# Altium PCB Slave.PcbDoc (part 12 of 12) (continued)
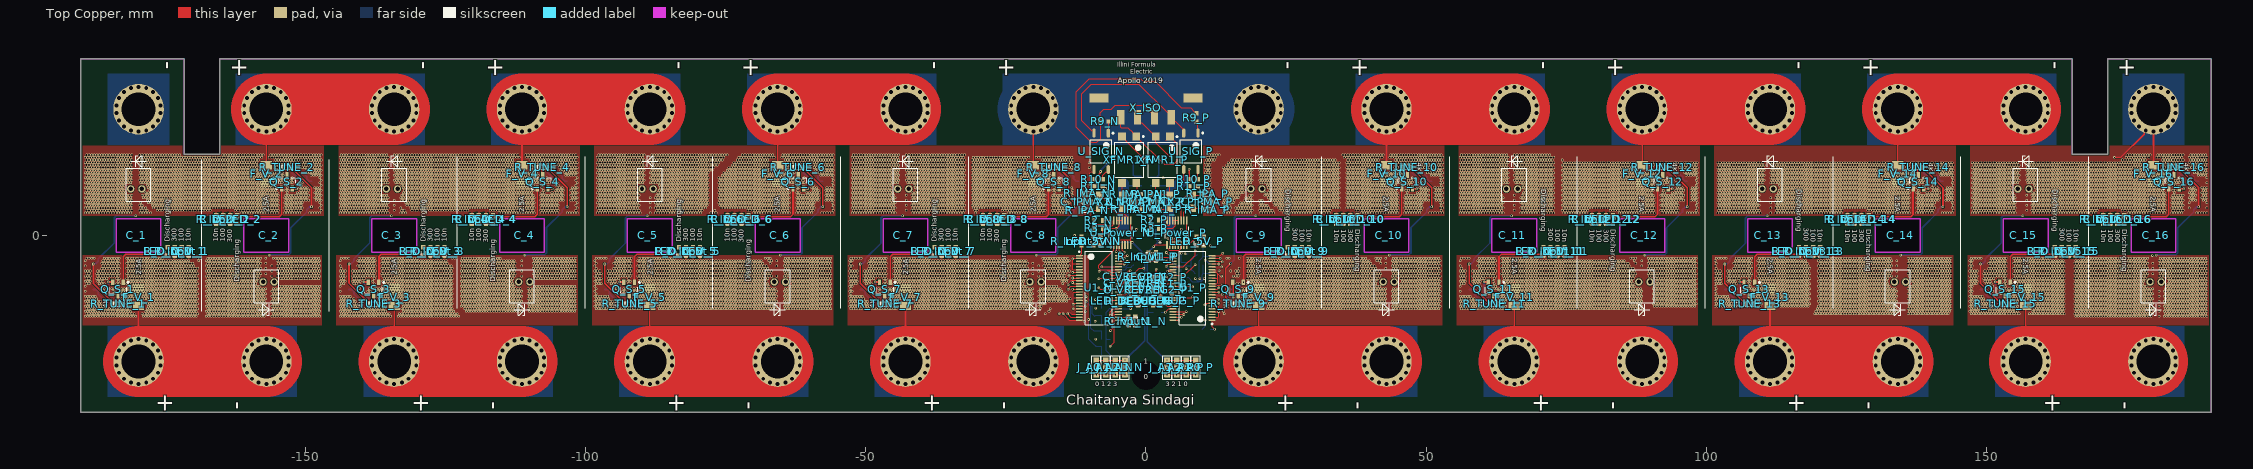
[diagram p0: Top Copper view]
## Nets (pads, with @x,y where several pads share a name; then routed paths per layer and width w, separated by ;. In a path a pad name is that pad's centre, name@x,y a point inside that pad or via, vN(x,y) a via of type N, cw(c..) or ccw(c..) an arc to the next point about the centre after c; other vN are vias at no path point) (continued)
S1_C1: LED_D_1.K Q_S_1.1 U1_N.25 | length 193.3
  Top Copper w0.102: v3(-5,-15.75) -4.9,-15.65 U1_N.25@-4.9,-15.1
  Top Copper w0.305: Q_S_1.1@-182.425,-8.375 -182.425,-3.777 -182,-3.352 -174.723,-3.352 LED_D_1.K@-174.5,-3.575
  Signal Layer 2 w0.102: v3(-174.5,-3.6) -170.788,-3.6 -168.703,-5.684 -168.703,-14.778 -167.731,-15.75 v3(-5,-15.75)
S1_C2: LED_D_9.K Q_S_9.1 U1_P.25 | length 30.1
  Top Copper w0.102: v3(3.625,-3.05) 4.147,-3.572 4.772,-3.572 U1_P.25@4.8,-3.6 ; Q_S_9.1@17.375,-8.375 v3(17.375,-8.35)
  Top Copper w0.305: v3(17.375,-8.35) 17.375,-3.777 17.8,-3.352 25.077,-3.352 LED_D_9.K@25.3,-3.575
  Signal Layer 2 w0.102: v3(3.625,-3.05) 4.458,-3.883 8.116,-3.883 11.53,-7.297 12.726,-7.297 13.26,-7.831 16.856,-7.831 v3(17.375,-8.35)
S2_C1: LED_D_2.K Q_S_2.1 U1_N.23 | length 190.5
  Top Copper w0.102: v3(-14,-14) -13.4,-14.6 U1_N.23@-11.9,-14.6
  Top Copper w0.305: LED_D_2.K@-161.877,3.352 -154.6,3.352 -154.175,3.777 Q_S_2.1@-154.175,8.375
  Signal Layer 2 w0.102: v3(-162.1,3.5) -168.094,-2.494 -168.094,-14.525 -167.478,-15.14 -17.34,-15.14 -15.823,-13.623 -14.377,-13.623 v3(-14,-14)
S2_C2: LED_D_10.K Q_S_10.1 U1_P.23 | length 66.5
  Top Copper w0.102: U1_P.23@11.8,-4.1 13.225,-4.1 v3(13.25,-4.075) ; v3(37.7,3.575) LED_D_10.K@37.7,3.6
  Top Copper w0.305: v3(37.7,3.575) 37.923,3.352 45.2,3.352 45.625,3.777 Q_S_10.1@45.625,8.375
  Signal Layer 2 w0.102: v3(13.25,-4.075) 12.888,-3.713 12.888,12.463 15.082,14.658 33.93,14.658 35.403,13.184 35.403,4.297 36.125,3.575 v3(37.7,3.575)
S3_C1: LED_D_3.K Q_S_3.1 U1_N.21 | length 141.8
  Top Copper w0.102: U1_N.21@-11.9,-13.6 v3(-10.8,-13.6)
  Top Copper w0.305: Q_S_3.1@-136.825,-8.375 -136.825,-3.777 -136.4,-3.352 -129.123,-3.352 -128.9,-3.575 v3(-128.9,-3.6)
  Signal Layer 2 w0.102: v3(-128.9,-3.6) -125.187,-3.6 -123.203,-5.584 -123.203,-13.046 -121.515,-14.734 -17.509,-14.734 -15.991,-13.216 -13.963,-13.216 -13.579,-13.6 v3(-10.8,-13.6)
S3_C2: LED_D_11.K Q_S_11.1 U1_P.21 | length 112.2
  Top Copper w0.102: U1_P.21@11.8,-5.1 v3(13,-5.1)
  Top Copper w0.305: Q_S_11.1@62.975,-8.375 62.975,-3.777 63.4,-3.352 70.677,-3.352 LED_D_11.K@70.9,-3.575
  Signal Layer 2 w0.102: v3(13,-5.1) 12.685,-4.785 12.685,12.547 14.998,14.861 72.402,14.861 73.197,14.066 73.197,-1.353 v3(70.95,-3.6)
S4_C1: LED_D_4.K Q_S_4.1 U1_N.19 | length 146.3
  Top Copper w0.102: v3(-116.5,3.575) LED_D_4.K@-116.5,3.6 ; U1_N.19@-11.9,-12.6 v3(-10.8,-12.6)
  Top Copper w0.305: v3(-116.5,3.575) -116.277,3.352 -109,3.352 -108.575,3.777 Q_S_4.1@-108.575,8.375
  Signal Layer 2 w0.102: v3(-116.5,3.575) -122.594,-2.519 -122.594,-12.793 -121.262,-14.124 -18.924,-14.124 -17.275,-12.475 -14.05,-12.475 -13.497,-11.923 -11.477,-11.923 v3(-10.8,-12.6)
S4_C2: LED_D_12.K Q_S_12.1 U1_P.19 | length 117.7
  Top Copper w0.102: U1_P.19@11.8,-6.1 12,-6.3 v3(13.025,-6.3)
  Top Copper w0.305: LED_D_12.K@83.3,3.575 83.523,3.352 90.8,3.352 91.225,3.777 Q_S_12.1@91.225,8.375
  Signal Layer 2 w0.102: v3(13.025,-6.3) 12.075,-5.35 12.075,12.8 14.746,15.471 72.654,15.471 73.806,14.318 73.806,3.358 74.011,3.153 80.059,3.153 80.108,3.104 82.804,3.104 v3(83.3,3.6)
S5_C1: LED_D_5.K Q_S_5.1 U1_N.13 | length 124.5
  Top Copper w0.102: v3(-13.1,-9.6) U1_N.13@-11.9,-9.6
  Top Copper w0.305: Q_S_5.1@-91.225,-8.375 -91.225,-3.777 -90.8,-3.352 -83.523,-3.352 LED_D_5.K@-83.3,-3.575
  Signal Layer 2 w0.102: v3(-83.2,-3.5) -83.2,-0.7 -77.406,5.094 -77.406,10.668 -72.475,15.6 -12.213,15.6 -10.831,14.218 -10.831,-7.331 v3(-13.1,-9.6)
S5_C2: LED_D_13.K Q_S_13.1 U1_P.13 | length 134.4
  Top Copper w0.102: U1_P.13@11.8,-9.1 12.562,-9.1 12.785,-8.877 13.623,-8.877 v3(13.625,-8.875) ; LED_D_13.K@116.5,-3.6 v3(116.5,-3.575)
  Top Copper w0.305: Q_S_13.1@108.575,-8.375 108.575,-3.777 109,-3.352 116.277,-3.352 v3(116.5,-3.575)
  Signal Layer 2 w0.102: v3(13.625,-8.875) 13.625,-9.704 14.181,-10.259 14.181,-10.506 14.393,-10.719 14.393,-11.744 16.656,-14.006 117.381,-14.006 118.797,-12.591 118.797,-4.897 117.475,-3.575 v3(116.5,-3.575)
S6_C1: LED_D_6.K Q_S_6.1 U1_N.11 | length 116.8
  Top Copper w0.102: v3(-13.1,-8.4) -12.9,-8.6 U1_N.11@-11.9,-8.6
  Top Copper w0.305: LED_D_6.K@-70.9,3.575 -70.677,3.352 -63.4,3.352 -62.975,3.777 Q_S_6.1@-62.975,8.375
  Signal Layer 2 w0.102: v3(-70.9,3.6) -75.213,3.6 -76.797,5.184 -76.797,10.416 -72.222,14.99 -12.465,14.99 -11.44,13.965 -11.44,-7.059 -12.781,-8.4 v3(-13.1,-8.4)
S6_C2: LED_D_14.K Q_S_14.1 U1_P.11 | length 144.8
  Top Copper w0.102: U1_P.11@11.8,-10.1 v3(13,-10.1)
  Top Copper w0.305: LED_D_14.K@128.913,3.563 129.123,3.352 136.4,3.352 136.825,3.777 Q_S_14.1@136.825,8.375
  Signal Layer 2 w0.102: v3(13,-10.1) 13,-10.529 13.784,-11.313 13.784,-11.997 16.403,-14.616 117.634,-14.616 119.406,-12.843 119.406,-4.481 125.267,1.38 126.73,1.38 v3(128.875,3.525)
S7_C1: LED_D_7.K Q_S_7.1 U1_N.9 | length 77.2
  Top Copper w0.102: v3(-13.1,-7.6) U1_N.9@-11.9,-7.6
  Top Copper w0.305: Q_S_7.1@-45.625,-8.375 -45.625,-3.777 -45.2,-3.352 LED_D_7.K@-37.923,-3.352
  Signal Layer 2 w0.102: v3(-37.7,-3.5) -31.906,2.294 -31.906,14.084 -31.203,14.787 -12.549,14.787 -11.643,13.881 -11.643,-6.975 -12.268,-7.6 v3(-13.1,-7.6)
S7_C2: LED_D_15.K Q_S_15.1 U1_P.9 | length 180.1
  Top Copper w0.102: U1_P.9@11.8,-11.1 12.75,-11.1 v3(13,-11.35) ; LED_D_15.K@162.1,-3.6 v3(162.1,-3.575)
  Top Copper w0.305: Q_S_15.1@154.175,-8.375 154.175,-3.777 154.6,-3.352 161.877,-3.352 v3(162.1,-3.575)
  Signal Layer 2 w0.102: v3(13,-11.35) 13,-11.541 13.377,-11.919 13.377,-12.165 16.235,-15.022 163.84,-15.022 164.397,-14.466 164.397,-4.6 163.372,-3.575 v3(162.1,-3.575)
S8_C1: LED_D_8.K Q_S_8.1 U1_N.7 | length 70.6
  Top Copper w0.102: v3(-13.1,-6.6) U1_N.7@-11.9,-6.6
  Top Copper w0.305: v3(-25.3,3.575) -25.077,3.352 -17.8,3.352 -17.375,3.777 Q_S_8.1@-17.375,8.375
  Signal Layer 2 w0.102: v3(-25.3,3.575) -30.475,3.575 -31.5,4.6 -31.5,13.916 -31.035,14.381 -12.718,14.381 -12.05,13.713 -12.05,-5.55 v3(-13.1,-6.6)
S8_C2: LED_D_16.K Q_S_16.1 U1_P.7 | length 193.5
  Top Copper w0.102: v3(10.525,-12.4) 10.825,-12.1 U1_P.7@11.8,-12.1 ; v3(174.5,3.575) LED_D_16.K@174.5,3.6
  Top Copper w0.305: v3(174.5,3.575) 174.723,3.352 182,3.352 182.425,3.777 Q_S_16.1@182.425,8.375
  Signal Layer 2 w0.102: v3(10.525,-12.4) 12.843,-14.718 15.069,-14.718 15.982,-15.632 164.093,-15.632 165.006,-14.718 165.006,-4.44 171.168,1.722 172.647,1.722 v3(174.5,3.575)
SCK_N: U1_N.42 U_Power_N.4 | length 8.9
  Top Copper w0.102: v3(-7.3,-6.7) -7.206,-6.7 -6.828,-6.323 -6.444,-6.323 -6.166,-6.6 U1_N.42@-4.9,-6.6 ; U_Power_N.4@-4.75,-1.684 -4.75,-2.766 -4.6,-2.916 v3(-4.6,-3)
  Signal Layer 1 w0.102: v3(-7.3,-6.7) -7.3,-5.7 v3(-4.6,-3)
SCK_P: U1_P.42 U_Power_P.4 | length 14.4
  Top Copper w0.102: U1_P.42@4.8,-12.1 v3(6.1,-12.1) ; U_Power_P.4@5.25,-1.684 5.25,-0.55 v3(5.3,-0.5)
  Signal Layer 1 w0.102: v3(5.3,-0.5) 5.3,-11.3 v3(6.1,-12.1)
SDI_N: R_SDO_PU_N.1 U1_N.43 U_Power_N.2 | length 16
  Top Copper w0.102: v3(-8.38,-6.426) -8.38,-6.351 -8.129,-6.1 ; U_Power_N.2@-5.751,-1.684 -5.751,-2.676 -8.4,-5.325 -8.4,-5.829 -8.129,-6.1 ; U1_N.43@-4.9,-6.1 -8.129,-6.1
  Bottom Copper w0.102: v3(-8.38,-6.426) -8.054,-6.1 -3.7,-6.1 -3.3,-5.7 -2.65,-5.7 -2.499,-5.549 -2.499,-5.524 -2.175,-5.2 R_SDO_PU_N.1@-2.15,-5.2
SDI_P: R_SDO_PU_P.1 U1_P.43 U_Power_P.2 | length 16
  Top Copper w0.102: v3(3.6,-12.37) 3.83,-12.6 U1_P.43@4.8,-12.6 ; v3(3.9,-0.5) 4.249,-0.849 U_Power_P.2@4.249,-1.684
  Signal Layer 1 w0.102: v3(3.6,-12.37) 4.5,-11.47 4.5,-1.1 v3(3.9,-0.5)
  Bottom Copper w0.102: R_SDO_PU_P.1@2.75,-12.4 3.57,-12.4 v3(3.6,-12.37)
SDO_N: R_SDI_PU_N.1 U1_N.44 U_Power_N.3 | length 14.8
  Top Copper w0.102: v3(-7.9,-5.625) -7.875,-5.6 U1_N.44@-4.9,-5.6 ; v3(-5.3,-2.9) -5.251,-2.851 U_Power_N.3@-5.251,-1.684
  Signal Layer 1 w0.102: v3(-7.9,-5.625) -7.9,-5.5 v3(-5.3,-2.9)
  Bottom Copper w0.102: v3(-7.9,-5.625) -3.625,-5.625 -2.8,-4.8 -2.8,-4.4 -2.499,-4.099 -2.499,-4.074 -2.175,-3.75 R_SDI_PU_N.1@-2.15,-3.75
SDO_P: R_SDI_PU_P.1 U1_P.44 U_Power_P.3 | length 17.5
  Top Copper w0.102: v3(3.462,-13.7) 4.062,-13.1 U1_P.44@4.8,-13.1 4.81,-13.09 U1_P.44@4.88,-13.16 ; v3(4.577,-0.5) 4.749,-0.672 U_Power_P.3@4.749,-1.684
  Signal Layer 1 w0.102: v3(3.462,-13.7) 4.703,-12.459 4.703,-0.626 v3(4.577,-0.5)
  Bottom Copper w0.102: R_SDI_PU_P.1@2.75,-13.75 3.412,-13.75 v3(3.462,-13.7)
SIG+: R9_N.1 R9_P.1 X_ISO.P$3 | length 52.9
  Top Copper w0.102: X_ISO.P$3@1.5,21.07 1.5,21.34 0.916,21.924 0.772,21.924 -0.507,23.204 -5.493,23.204 -6.196,22.5 -7.5,22.5 -8.15,21.85 R9_N.1@-8.15,20.342 -8.106,20.298 -8.106,17.268 -8.788,16.586 -9.752,16.586 -12.414,19.249 -12.414,25.629 -10.129,27.914 -0.925,27.914 -0.51,27.5 1.629,27.5 6.317,22.811 7.939,22.811 8.651,22.099 8.676,22.099 9,21.775 R9_P.1@9,21.75
SIG-: U_SIG_N.3 U_SIG_P.3 X_ISO.P$4 | length 31.2
  Top Copper w0.102: U_SIG_N.3@-9.27,18.25 -9.27,18.413 -9.5,18.643 -9.663,18.643 -11.5,20.48 -11.5,25.25 -9.75,27 -1.304,27 3.772,21.924 3.916,21.924 4.5,21.34 X_ISO.P$4@4.5,21.07 4.5,20.926 5.084,20.342 5.228,20.342 6.73,18.84 U_SIG_P.3@6.73,18.25
T1_C1: C_1.T+ C_2.T+ C_Temp1_N.2 R7_N.1 R_Temp1_N.1 | length 198.4
  Signal Layer 2 w0.102: C_1.T+@-181.1,8.3 -176.725,3.925 -161.991,3.925 -161.723,3.656 -161.723,3.523 -161.151,2.951 -161.151,-3.104 -161.004,-3.251 -157.224,-3.251 -155.5,-4.975 C_2.T+@-155.5,-8.3 -146.5,-8.3 -146,-8.8 -146,-14.194 -145.256,-14.937 -17.425,-14.937 -15.907,-13.419 -14.047,-13.419 -13.416,-14.05 -11.2,-14.05 v3(-10.25,-15)
  Bottom Copper w0.102: v3(-10.25,-15) -10.25,-18.5 -9.349,-19.401 -9.324,-19.401 -9,-19.725 C_Temp1_N.2@-9,-19.75 R_Temp1_N.1@-7.9,-19.75 R7_N.1@-7.9,-21.25
T1_C2: C_9.T+ C_10.T+ C_Temp1_P.2 R7_P.1 R_Temp1_P.1 | length 64.5
  Signal Layer 2 w0.102: v3(6.3,-3.175) 6.804,-3.679 8.2,-3.679 11.614,-7.094 12.81,-7.094 13.344,-7.627 14.473,-7.627 15.55,-6.55 15.55,5.15 C_9.T+@18.7,8.3 19.4,8.3 26,1.7 26,-0.9 28.4,-3.3 39.3,-3.3 C_10.T+@44.3,-8.3
  Bottom Copper w0.102: v3(6.3,-3.175) 6.3,-4.7 R7_P.1@6.25,-4.75 C_Temp1_P.2@7.5,-4.75
T3_C1: C_3.T+ C_4.T+ C_Temp2_N.2 R6_N.1 R_Temp2_N.1 | length 152.2
  Signal Layer 2 w0.102: C_3.T+@-135.5,8.3 -131.152,3.952 -116.344,3.952 -115.551,3.16 -115.551,-3.104 -114.777,-3.877 -110.423,-3.877 -109.9,-4.4 C_4.T+@-109.9,-8.3 -101.2,-8.3 -100.5,-9 -100.5,-13.4 -99.979,-13.921 -19.009,-13.921 -17.359,-12.272 -14.134,-12.272 -13.582,-11.719 -10.738,-11.719 -10.679,-11.779 v3(-10.675,-11.775)
  Bottom Copper w0.102: v3(-10.675,-11.775) -9.825,-12.625 -9.825,-16.525 -9.35,-17 C_Temp2_N.2@-9,-17 R_Temp2_N.1@-7.9,-17 R6_N.1@-7.9,-18.5
T3_C2: C_11.T+ C_12.T+ C_Temp2_P.2 R6_P.1 R_Temp2_P.1 | length 133.5
  Signal Layer 2 w0.102: v3(10.4,-7.7) 12.842,-7.7 13.175,-8.034 13.621,-8.479 13.763,-8.479 14.002,-8.719 14.002,-9.031 13.828,-9.206 13.828,-9.62 14.384,-10.175 14.384,-10.422 14.597,-10.635 14.597,-11.66 16.74,-13.803 89.197,-13.803 89.669,-13.331 89.669,-13.26 89.9,-13.028 C_12.T+@89.9,-8.3 85.577,-3.977 70.794,-3.977 69.951,-3.135 69.951,3.104 69.804,3.251 65.749,3.251 65.578,3.422 65.578,3.656 65.357,3.877 64.622,3.877 64.3,4.199 C_11.T+@64.3,8.3
  Bottom Copper w0.102: R_Temp2_P.1@6.25,-6 R6_P.1@6.25,-7.5 C_Temp2_P.2@7.5,-7.5 8.281,-8.281 9.84,-8.281 10.4,-7.721 v3(10.4,-7.7)
T5_C1: C_5.T+ C_6.T+ C_Temp3_N.2 R5_N.1 R_Temp3_N.1 | length 153.3
  Signal Layer 2 w0.102: C_5.T+@-89.9,8.3 -89.9,4.4 -89.378,3.877 -88.843,3.877 -88.217,3.251 -84.396,3.251 -84.249,3.104 -84.249,3 ; C_6.T+@-64.3,-8.3 -68.723,-3.877 -83.356,-3.877 -84.249,-2.985 -84.249,3 ; v3(-10.675,-10.925) -10.627,-10.877 -10.627,14.302 -12.128,15.803 -72.559,15.803 -77.61,10.753 -77.61,5.178 -79.787,3 -84.249,3
  Bottom Copper w0.102: v3(-10.675,-10.925) -9.622,-11.978 -9.622,-13.953 -9.527,-14.048 -9.163,-14.413 C_Temp3_N.2@-9,-14.25 R_Temp3_N.1@-7.9,-14.25 R5_N.1@-7.9,-15.75
T5_C2: C_13.T+ C_14.T+ C_Temp3_P.2 R5_P.1 R_Temp3_P.1 | length 183.3
  Signal Layer 2 w0.102: v3(9.6,-7.7) 9.635,-7.735 9.902,-7.735 11.631,-9.465 11.648,-9.465 13.581,-11.397 13.581,-12.081 16.319,-14.819 133.714,-14.819 135.5,-13.033 C_14.T+@135.5,-8.3 135.5,-4.2 135.177,-3.877 134.443,-3.877 134.222,-3.656 134.222,-3.373 134.1,-3.251 129.996,-3.251 129.849,-3.104 129.849,3.085 129.031,3.902 128.719,3.902 128.498,3.681 128.498,3.46 128.438,3.4 111.434,3.4 110.957,3.877 110.448,3.877 109.9,4.425 C_13.T+@109.9,8.3
  Bottom Copper w0.102: v3(9.6,-7.7) 9.6,-7.606 9.5,-7.506 9.5,-4.5 9.901,-4.099 9.901,-4.074 10.225,-3.75 R5_P.1@10.25,-3.75 ; R_Temp3_P.1@10.25,-2.25 R5_P.1@10.25,-3.75 ; C_Temp3_P.2@11.5,-3.75 R5_P.1@10.25,-3.75
T7_C1: C_7.T+ C_8.T+ C_Temp4_N.2 R4_N.1 R_Temp4_N.1 | length 54.5
  Signal Layer 2 w0.102: C_7.T+@-44.3,8.3 -44.3,4 -44.177,3.877 -43.243,3.877 -43.022,3.656 -43.022,3.522 -42.751,3.251 -38.796,3.251 -38.649,3.104 -38.649,-0.851 -38.275,-1.225 -38.275,-3.459 -37.834,-3.9 -19.309,-3.9 -18.7,-4.509 C_8.T+@-18.7,-8.3 -15.85,-8.3 -12.7,-11.45 -10.884,-11.45 -10.831,-11.398 -9.077,-11.398 v3(-9.025,-11.45)
  Bottom Copper w0.102: C_Temp4_N.2@-9,-11.5 R_Temp4_N.1@-7.9,-11.5 R4_N.1@-7.9,-13
T7_C2: C_15.T+ C_16.T+ C_Temp4_P.2 R4_P.1 R_Temp4_P.1 | length 230.4
  Signal Layer 1 w0.102: v3(169.8,3.4) 170.1,3.4 175.449,-1.949 175.449,-3.104 175.596,-3.251 179.151,-3.251 v3(179.5,-3.6)
  Signal Layer 2 w0.102: v3(8.8,-7.7) 8.8,-14.453 9.922,-15.575 15.351,-15.575 15.611,-15.835 181.1,-15.835 C_16.T+@181.1,-8.3 180.499,-8.3 180.2,-8 180.2,-4.3 v3(179.5,-3.6) ; C_15.T+@155.5,8.3 155.5,4 155.623,3.877 156.557,3.877 157.034,3.4 v3(169.8,3.4)
  Bottom Copper w0.102: v3(8.8,-7.7) 9.177,-8.077 9.756,-8.077 10.023,-7.811 10.023,-6.977 R4_P.1@10.25,-6.75 ; R_Temp4_P.1@10.25,-5.25 R4_P.1@10.25,-6.75 ; C_Temp4_P.2@11.5,-6.75 R4_P.1@10.25,-6.75
V1_C1: R_Input_1.2 U1_N.24 | length 172.6
  Top Copper w0.102: v3(-14.8,-14) -13.7,-15.1 U1_N.24@-11.9,-15.1
  Signal Layer 2 w0.102: v3(-172,-2.1) -168.5,-5.6 -168.5,-14.694 -167.647,-15.547 -15.547,-15.547 -14.8,-14.8 v3(-14.8,-14)
V1_C2: R_Input_9.2 U1_P.24 | length 59.6
  Top Copper w0.102: U1_P.24@11.8,-3.6 13.275,-3.6 v3(13.7,-3.175)
  Signal Layer 2 w0.102: v3(13.7,-3.175) 13.294,-2.769 13.294,12.295 15.251,14.251 33.761,14.251 34.997,13.016 34.997,3.736 29.539,-1.723 28.919,-1.723 28.541,-2.1 v3(27.8,-2.1)
V2_C1: R_Input_2.2 U1_N.22 | length 176
  Top Copper w0.102: v3(-15.5,-14) -15.1,-13.6 -13.733,-13.6 -13.233,-14.1 U1_N.22@-11.9,-14.1
  Signal Layer 2 w0.102: v3(-164.6,2.1) -168.297,-1.597 -168.297,-14.609 -167.563,-15.344 -16.65,-15.344 -15.567,-14.26 -15.567,-14.067 v3(-15.5,-14)
V2_C2: R_Input_10.2 U1_P.22 | length 53.8
  Top Copper w0.102: U1_P.22@11.8,-4.6 13.5,-4.6 v3(13.625,-4.725)
  Signal Layer 2 w0.102: v3(13.625,-4.725) 13.625,-4.234 13.627,-4.231 13.627,-3.919 13.091,-3.382 13.091,12.379 15.166,14.455 33.845,14.455 35.2,13.1 v3(35.2,2.025)
V3_C1: R_Input_3.2 U1_N.20 | length 124.9
  Top Copper w0.102: v3(-13,-13.1) U1_N.20@-11.9,-13.1
  Signal Layer 2 w0.102: v3(-126.4,-2.1) -123,-5.5 -123,-12.962 -121.431,-14.531 -17.593,-14.531 -16.075,-13.013 -13.879,-13.013 -13.495,-13.397 -13.297,-13.397 v3(-13,-13.1)
V3_C2: R_Input_11.2 U1_P.20 | length 99.3
  Top Copper w0.102: U1_P.20@11.8,-5.6 13.475,-5.6 v3(13.5,-5.625)
  Signal Layer 2 w0.102: v3(13.5,-5.625) 12.925,-5.625 12.481,-5.182 12.481,12.632 14.914,15.064 72.486,15.064 73.4,14.15 v3(73.4,-2.1)
V4_C1: R_Input_4.2 U1_N.14 U1_N.16 U1_N.18 | length 133.2
  Top Copper w0.102: U1_N.18@-11.9,-12.1 -12.766,-12.1 -12.966,-12.3 -12.966,-11.166 ; U1_N.16@-11.9,-11.1 -12.9,-11.1 -12.966,-11.166 ; U1_N.14@-11.9,-10.1 -12.866,-10.1 -12.966,-10.2 -12.966,-11.166
  Signal Layer 2 w0.102: v3(-119,2.1) -122.797,-1.697 -122.797,-12.877 -121.347,-14.328 -18.84,-14.328 -17.191,-12.678 -13.966,-12.678 -13.587,-12.3 v3(-13,-12.3)
V4_C2: R_Input_12.2 U1_P.14 U1_P.16 U1_P.18 | length 107.8
  Top Copper w0.102: U1_P.14@11.8,-8.6 12.6,-8.6 12.775,-8.425 12.775,-7.575 ; U1_P.16@11.8,-7.6 12.75,-7.6 12.775,-7.575 ; U1_P.18@11.8,-6.6 12.575,-6.6 12.775,-6.8 ; v3(13.5,-7.25) 13.362,-7.388 12.775,-6.8 ; 12.775,-7.575 12.775,-6.8
  Signal Layer 2 w0.102: v3(13.5,-7.25) 13.402,-7.152 13.402,-6.144 13.181,-5.923 12.935,-5.923 12.278,-5.266 12.278,12.716 14.83,15.267 72.57,15.267 73.603,14.234 73.603,3.273 73.927,2.95 79.975,2.95 v3(80.8,2.125)
V5_C1: R_Input_5.2 U1_N.12 | length 110.3
  Top Copper w0.102: v3(-13.9,-9.6) -13.4,-9.1 U1_N.12@-11.9,-9.1
  Signal Layer 2 w0.102: v3(-80.8,-2.1) -80.8,1.413 -77.2,5.013 -77.203,5.016 -77.203,10.584 -72.391,15.397 -12.297,15.397 -11.034,14.134 -11.034,-7.246 -13.01,-9.223 -13.523,-9.223 v3(-13.9,-9.6)
V5_C2: R_Input_13.2 U1_P.12 | length 121.3
  Top Copper w0.102: U1_P.12@11.8,-9.6 12.75,-9.6 v3(13,-9.35)
  Signal Layer 2 w0.102: v3(13,-9.35) 13,-9.366 13.977,-10.344 13.977,-10.59 14.19,-10.803 14.19,-11.828 16.571,-14.21 117.465,-14.21 119,-12.675 v3(119,-2.075)
V6_C1: R_Input_6.2 U1_N.10 | length 105.6
  Top Copper w0.102: v3(-13.9,-8.8) -13.9,-8.566 -13.356,-8.023 -12.309,-8.023 -12.231,-8.1 U1_N.10@-11.9,-8.1
  Signal Layer 2 w0.102: v3(-73.4,2.1) -74,2.1 -77,5.1 -77,10.5 -72.306,15.194 -12.381,15.194 -11.237,14.05 -11.237,-7.162 -13.075,-9 -13.7,-9 v3(-13.9,-8.8)
V6_C2: R_Input_14.2 U1_P.10 | length 128.6
  Top Copper w0.102: U1_P.10@11.8,-10.6 13.406,-10.6 13.506,-10.5 v3(13.6,-10.5)
  Signal Layer 2 w0.102: v3(13.6,-10.5) 13.788,-10.688 13.788,-11.029 13.987,-11.229 13.987,-11.913 16.487,-14.413 117.55,-14.413 119.203,-12.759 119.203,-4.397 125.7,2.1 v3(126.4,2.1)
V7_C1: R_Input_7.2 U1_N.8 | length 62.5
  Top Copper w0.102: v3(-13.733,-7.08) -11.92,-7.08 U1_N.8@-11.9,-7.1
  Signal Layer 2 w0.102: v3(-35.2,-2.1) -31.703,1.397 -31.703,14 -31.119,14.584 -12.633,14.584 -11.847,13.797 -11.847,-6.891 -12.036,-7.08 v3(-13.733,-7.08)
V7_C2: R_Input_15.2 U1_P.8 | length 167
  Top Copper w0.102: U1_P.8@11.8,-11.6 12.525,-11.6 v3(13,-12.075)
  Signal Layer 2 w0.102: v3(13,-12.075) 16.151,-15.226 163.924,-15.226 164.6,-14.55 v3(164.6,-2.1)
V8_C1: R_Input_8.2 U1_N.2 U1_N.4 U1_N.6 | length 26.5
  Top Copper w0.102: U1_N.6@-11.9,-6.1 -13.1,-6.1 -13.1,-5.2 ; U1_N.4@-11.9,-5.1 -13,-5.1 -13.1,-5.2 ; U1_N.2@-11.9,-4.1 -13,-4.1 v3(-13.1,-4.2) -13.1,-5.2
  Signal Layer 2 w0.102: v3(-27.8,2.1) -25.801,2.1 -24.651,3.251 -15.996,3.251 -15.849,3.104 -15.849,-1.451 v3(-13.1,-4.2)
V8_C2: R_Input_16.2 U1_P.2 U1_P.4 U1_P.6 | length 178.6
  Top Copper w0.102: U1_P.2@11.8,-14.6 12.9,-14.6 13,-14.5 v3@13,-13.575 ; U1_P.4@11.8,-13.6 v3(12.975,-13.6) v3@13,-13.575 ; U1_P.6@11.8,-12.6 12.875,-12.6 13,-12.725 v3@13,-13.575
  Signal Layer 2 w0.102: v3(12.975,-13.6) 13.788,-14.413 15.05,-14.413 16.066,-15.429 164.009,-15.429 164.803,-14.634 164.803,-4.356 171.084,1.925 171.85,1.925 v3(172.025,2.1)
VREF1_N: C_VREF1_N.2 U1_N.35 | length 2.8
  Top Copper w0.102: U1_N.35@-4.9,-10.1 -4.872,-10.072 -4.252,-10.072 -3.099,-8.919 -3.099,-8.894 -2.775,-8.57 C_VREF1_N.2@-2.75,-8.57
VREF1_P: C_VREF1_P.2 U1_P.35 | length 2.2
  Top Copper w0.102: C_VREF1_P.2@2.65,-8.6 U1_P.35@4.8,-8.6
VREF2_N: C_VREF2_N.2 U1_N.34 | length 2.5
  Top Copper w0.102: U1_N.34@-4.9,-10.6 -3.65,-10.6 -3.099,-10.049 -3.099,-10.024 -2.775,-9.7 C_VREF2_N.2@-2.75,-9.7
VREF2_P: C_VREF2_P.2 U1_P.34 | length 2.4
  Top Copper w0.102: C_VREF2_P.2@2.65,-7.5 2.675,-7.5 2.999,-7.824 2.999,-7.849 3.25,-8.1 U1_P.34@4.8,-8.1
pads on no net: U1_N.3 U1_N.5 U1_N.15 U1_N.17 U1_N.39 U1_P.3 U1_P.5 U1_P.15 U1_P.17 U1_P.39 X_ISO.TAB1 X_ISO.TAB2

## Polygon pours and split planes (outlines as drawn)
F_10 on Bottom Copper "F_10_L04_P086" (solid, remove dead copper, pour order 86): 53.2,3.5 10.2,3.5 10.2,16 53.2,16
F_9 on Bottom Copper "F_9_L04_P082" (solid, remove dead copper, pour order 82): 9.8,-3.5 52.8,-3.5 52.8,-16 9.8,-16
F_12 on Bottom Copper "F_12_L04_P078" (solid, remove dead copper, pour order 78): 98.8,3.5 55.8,3.5 55.8,16 98.8,16
F_11 on Bottom Copper "F_11_L04_P074" (solid, remove dead copper, pour order 74): 55.4,-3.5 98.4,-3.5 98.4,-16 55.4,-16
F_14 on Bottom Copper "F_14_L04_P070" (solid, remove dead copper, pour order 70): 144.4,3.5 101.4,3.5 101.4,16 144.4,16
F_13 on Bottom Copper "F_13_L04_P066" (solid, remove dead copper, pour order 66): 101,-3.5 144,-3.5 144,-16 101,-16
F_16 on Bottom Copper "F_16_L04_P062" (solid, remove dead copper, pour order 62): 190,3.5 147,3.5 147,16 190,16
F_15 on Bottom Copper "F_15_L04_P058" (solid, remove dead copper, pour order 58): 146.6,-3.5 189.6,-3.5 189.6,-16 146.6,-16
F_8 on Bottom Copper "F_8_L04_P054" (solid, remove dead copper, pour order 54): -9.8,3.5 -52.8,3.5 -52.8,16 -9.8,16
F_6 on Bottom Copper "F_6_L04_P050" (solid, remove dead copper, pour order 50): -55.4,3.5 -98.4,3.5 -98.4,16 -55.4,16
F_7 on Bottom Copper "F_7_L04_P046" (solid, remove dead copper, pour order 46): -53.2,-3.5 -10.2,-3.5 -10.2,-16 -53.2,-16
F_5 on Bottom Copper "F_5_L04_P042" (solid, remove dead copper, pour order 42): -98.8,-3.5 -55.8,-3.5 -55.8,-16 -98.8,-16
F_3 on Bottom Copper "F_3_L04_P038" (solid, remove dead copper, pour order 38): -144.4,-3.5 -101.4,-3.5 -101.4,-16 -144.4,-16
F_4 on Bottom Copper "F_4_L04_P034" (solid, remove dead copper, pour order 34): -101,3.5 -144,3.5 -144,16 -101,16
F_2 on Bottom Copper "F_2_L04_P030" (solid, remove dead copper, pour order 30): -146.7,3.5 -189.7,3.5 -189.7,16 -146.7,16
F_1 on Bottom Copper "F_1_L04_P002" (solid, remove dead copper, pour order 2): -190,-3.5 -147,-3.5 -147,-16 -190,-16
NEG1_C2 on Bottom Copper "NEG1_C2_L04_P098" (solid, pour order 98): 9.802,10.73 0.5,10.73 0.5,-31.5 9.825,-31.5
NEG1_C1 on Bottom Copper "NEG1_C1_L04_P096" (solid, pour order 96): -9.802,10.605 -0.5,10.605 -0.5,-31.5 -9.825,-31.5
F_10 on Top Copper "F_10_L01_P088" (solid, remove dead copper, pour order 88): 53.2,3.5 10.2,3.5 10.2,16 53.2,16
F_9 on Top Copper "F_9_L01_P084" (solid, remove dead copper, pour order 84): 9.8,-3.5 52.8,-3.5 52.8,-16 9.8,-16
F_12 on Top Copper "F_12_L01_P080" (solid, remove dead copper, pour order 80): 98.8,3.5 55.8,3.5 55.8,16 98.8,16
F_11 on Top Copper "F_11_L01_P076" (solid, remove dead copper, pour order 76): 55.4,-3.5 98.4,-3.5 98.4,-16 55.4,-16
F_14 on Top Copper "F_14_L01_P072" (solid, remove dead copper, pour order 72): 144.4,3.5 101.4,3.5 101.4,16 144.4,16
F_13 on Top Copper "F_13_L01_P068" (solid, remove dead copper, pour order 68): 101,-3.5 144,-3.5 144,-16 101,-16
F_16 on Top Copper "F_16_L01_P064" (solid, remove dead copper, pour order 64): 190,3.5 147,3.5 147,16 190,16
F_15 on Top Copper "F_15_L01_P060" (solid, remove dead copper, pour order 60): 146.6,-3.5 189.6,-3.5 189.6,-16 146.6,-16
F_8 on Top Copper "F_8_L01_P056" (solid, remove dead copper, pour order 56): -9.8,3.5 -52.8,3.5 -52.8,16 -9.8,16
F_6 on Top Copper "F_6_L01_P052" (solid, remove dead copper, pour order 52): -55.4,3.5 -98.4,3.5 -98.4,16 -55.4,16
F_7 on Top Copper "F_7_L01_P048" (solid, remove dead copper, pour order 48): -53.2,-3.5 -10.2,-3.5 -10.2,-16 -53.2,-16
F_5 on Top Copper "F_5_L01_P044" (solid, remove dead copper, pour order 44): -98.8,-3.5 -55.8,-3.5 -55.8,-16 -98.8,-16
F_3 on Top Copper "F_3_L01_P040" (solid, remove dead copper, pour order 40): -144.4,-3.5 -101.4,-3.5 -101.4,-16 -144.4,-16
F_4 on Top Copper "F_4_L01_P036" (solid, remove dead copper, pour order 36): -101,3.5 -144,3.5 -144,16 -101,16
F_2 on Top Copper "F_2_L01_P032" (solid, remove dead copper, pour order 32): -146.7,3.5 -189.7,3.5 -189.7,16 -146.7,16
F_1 on Top Copper "F_1_L01_P004" (solid, remove dead copper, pour order 4): -190,-3.5 -147,-3.5 -147,-16 -190,-16
NEG1_C2 on Signal Layer 1 "Signal Layer 1-NEG1_N" (solid, pour order 100): 190,16 0.5,16 0.5,-31.5 12.5,-31.5 12.5,-16 190,-16
NEG1_C1 on Signal Layer 1 "Signal Layer 1-NEG1_N" (solid, pour order 90): -190,16 -0.5,16 -0.5,-31.5 -12.5,-31.5 -12.5,-16 -190,-16

## Keep-outs
Bottom Copper:
  lines w0.2: -190,-14.5 -189.5,-15 -12.8,-15 -12.8,-31.5 ; -190,15 190,15 ; 12.8,-31.5 12.8,-15 189.5,-15 190,-14.5
Keep-Out Layer:
  the board outline again, w0.2

## Silkscreen, mask and mechanical layers (free items; w line width, h text height)
Top Overlay:
  lines w0.2: -168.45,-13.5 -168.45,13.5 ; -145.65,-13.5 -145.65,13.5 ; -122.85,-13 -122.85,14 ; -100.05,-13 -100.05,14 ; -77.25,-13 -77.25,14 ; -54.45,-13 -54.45,14 ; -31.65,-13 -31.65,14 ; 31.35,-13 31.35,14 ; 54.15,-13 54.15,14 ; 76.95,-13 76.95,14 ; 99.75,-13 99.75,14 ; 122.55,-13 122.55,14 ; 145.35,-13 145.35,14 ; 168.15,-13 168.15,14
  text "Illini Formula" at -5.1,30.05 h0.81
  text "Electric" at -2.8,28.85 h0.81
  text "Apollo 2019" at -5,27.15 h1
  text "1 /  / 0" at -0.375,-25.625 h0.9
  text "0 1 2 3" at -9.05,-26.925 h0.85
  text "3 2 1 0" at 3.55,-26.925 h0.85
  text "Chaitanya Sindagi" at -14.25,-30.25 h1.8

## Dimensions
-171.58,14.5 to -171.58,31.5 on Measurements
-171.58,31.625 to -165.23,31.5 on Measurements
-190,31.5 to -171.58,31.5 on Measurements
-190,-31.5 to 190,-31.5 on Measurements
-190,-31.5 to -190,31.5 on Measurements

## Text inside footprints (layer, text, board x,y; h text height)
C_1: Top Overlay "-" at -175.7,31.1 h3 r270; Top Overlay "+" at -173.2,-28.6 h3 r180; Bottom Overlay "+" at -173.2,-28.6 h3 r180; Bottom Overlay "-" at -175.7,31.1 h3 r270
C_2: Top Overlay "-" at -160.9,-31.1 h3 r90; Top Overlay "+" at -163.4,28.6 h3; Bottom Overlay "+" at -163.4,28.6 h3; Bottom Overlay "-" at -160.9,-31.1 h3 r90
C_3: Top Overlay "-" at -130.1,31.1 h3 r270; Top Overlay "+" at -127.6,-28.6 h3 r180; Bottom Overlay "+" at -127.6,-28.6 h3 r180; Bottom Overlay "-" at -130.1,31.1 h3 r270
C_4: Top Overlay "-" at -115.3,-31.1 h3 r90; Top Overlay "+" at -117.8,28.6 h3; Bottom Overlay "+" at -117.8,28.6 h3; Bottom Overlay "-" at -115.3,-31.1 h3 r90
C_5: Top Overlay "-" at -84.5,31.1 h3 r270; Top Overlay "+" at -82,-28.6 h3 r180; Bottom Overlay "+" at -82,-28.6 h3 r180; Bottom Overlay "-" at -84.5,31.1 h3 r270
C_6: Top Overlay "-" at -69.7,-31.1 h3 r90; Top Overlay "+" at -72.2,28.6 h3; Bottom Overlay "+" at -72.2,28.6 h3; Bottom Overlay "-" at -69.7,-31.1 h3 r90
C_7: Top Overlay "-" at -38.9,31.1 h3 r270; Top Overlay "+" at -36.4,-28.6 h3 r180; Bottom Overlay "+" at -36.4,-28.6 h3 r180; Bottom Overlay "-" at -38.9,31.1 h3 r270
C_8: Top Overlay "-" at -24.1,-31.1 h3 r90; Top Overlay "+" at -26.6,28.6 h3; Bottom Overlay "+" at -26.6,28.6 h3; Bottom Overlay "-" at -24.1,-31.1 h3 r90
C_9: Top Overlay "-" at 24.1,31.1 h3 r270; Top Overlay "+" at 26.6,-28.6 h3 r180; Bottom Overlay "+" at 26.6,-28.6 h3 r180; Bottom Overlay "-" at 24.1,31.1 h3 r270
C_10: Top Overlay "-" at 38.9,-31.1 h3 r90; Top Overlay "+" at 36.4,28.6 h3; Bottom Overlay "+" at 36.4,28.6 h3; Bottom Overlay "-" at 38.9,-31.1 h3 r90
C_11: Top Overlay "-" at 69.7,31.1 h3 r270; Top Overlay "+" at 72.2,-28.6 h3 r180; Bottom Overlay "+" at 72.2,-28.6 h3 r180; Bottom Overlay "-" at 69.7,31.1 h3 r270
C_12: Top Overlay "-" at 84.5,-31.1 h3 r90; Top Overlay "+" at 82,28.6 h3; Bottom Overlay "+" at 82,28.6 h3; Bottom Overlay "-" at 84.5,-31.1 h3 r90
C_13: Top Overlay "-" at 115.3,31.1 h3 r270; Top Overlay "+" at 117.8,-28.6 h3 r180; Bottom Overlay "+" at 117.8,-28.6 h3 r180; Bottom Overlay "-" at 115.3,31.1 h3 r270
C_14: Top Overlay "-" at 130.1,-31.1 h3 r90; Top Overlay "+" at 127.6,28.6 h3; Bottom Overlay "+" at 127.6,28.6 h3; Bottom Overlay "-" at 130.1,-31.1 h3 r90
C_15: Top Overlay "-" at 160.9,31.1 h3 r270; Top Overlay "+" at 163.4,-28.6 h3 r180; Bottom Overlay "+" at 163.4,-28.6 h3 r180; Bottom Overlay "-" at 160.9,31.1 h3 r270
C_16: Top Overlay "-" at 175.7,-31.1 h3 r90; Top Overlay "+" at 173.2,28.6 h3; Bottom Overlay "+" at 173.2,28.6 h3; Bottom Overlay "-" at 175.7,-31.1 h3 r90
U_Power_N: Top Overlay "*" at -6.251,-1.684 h1.97 r90
U_Power_P: Top Overlay "*" at 3.749,-1.684 h1.97 r90